# Altium PCB foxbms2-master.PcbDoc (part 6 of 11)
Units mm, origin at the board's own origin, x right, y up, seen from the top; angles counter-clockwise.
Board outline 200.02 x 144.34 mm, 8 copper layers (Top, Int1 (Sig), Int2 (Gnd), Int3 (Sig), Int4 (Sig), Int5 (Pwr), Int6 (Sig), Bottom), stack 1.636 mm thick; 806 components, 624 nets, 2842 pads, 2610 vias.
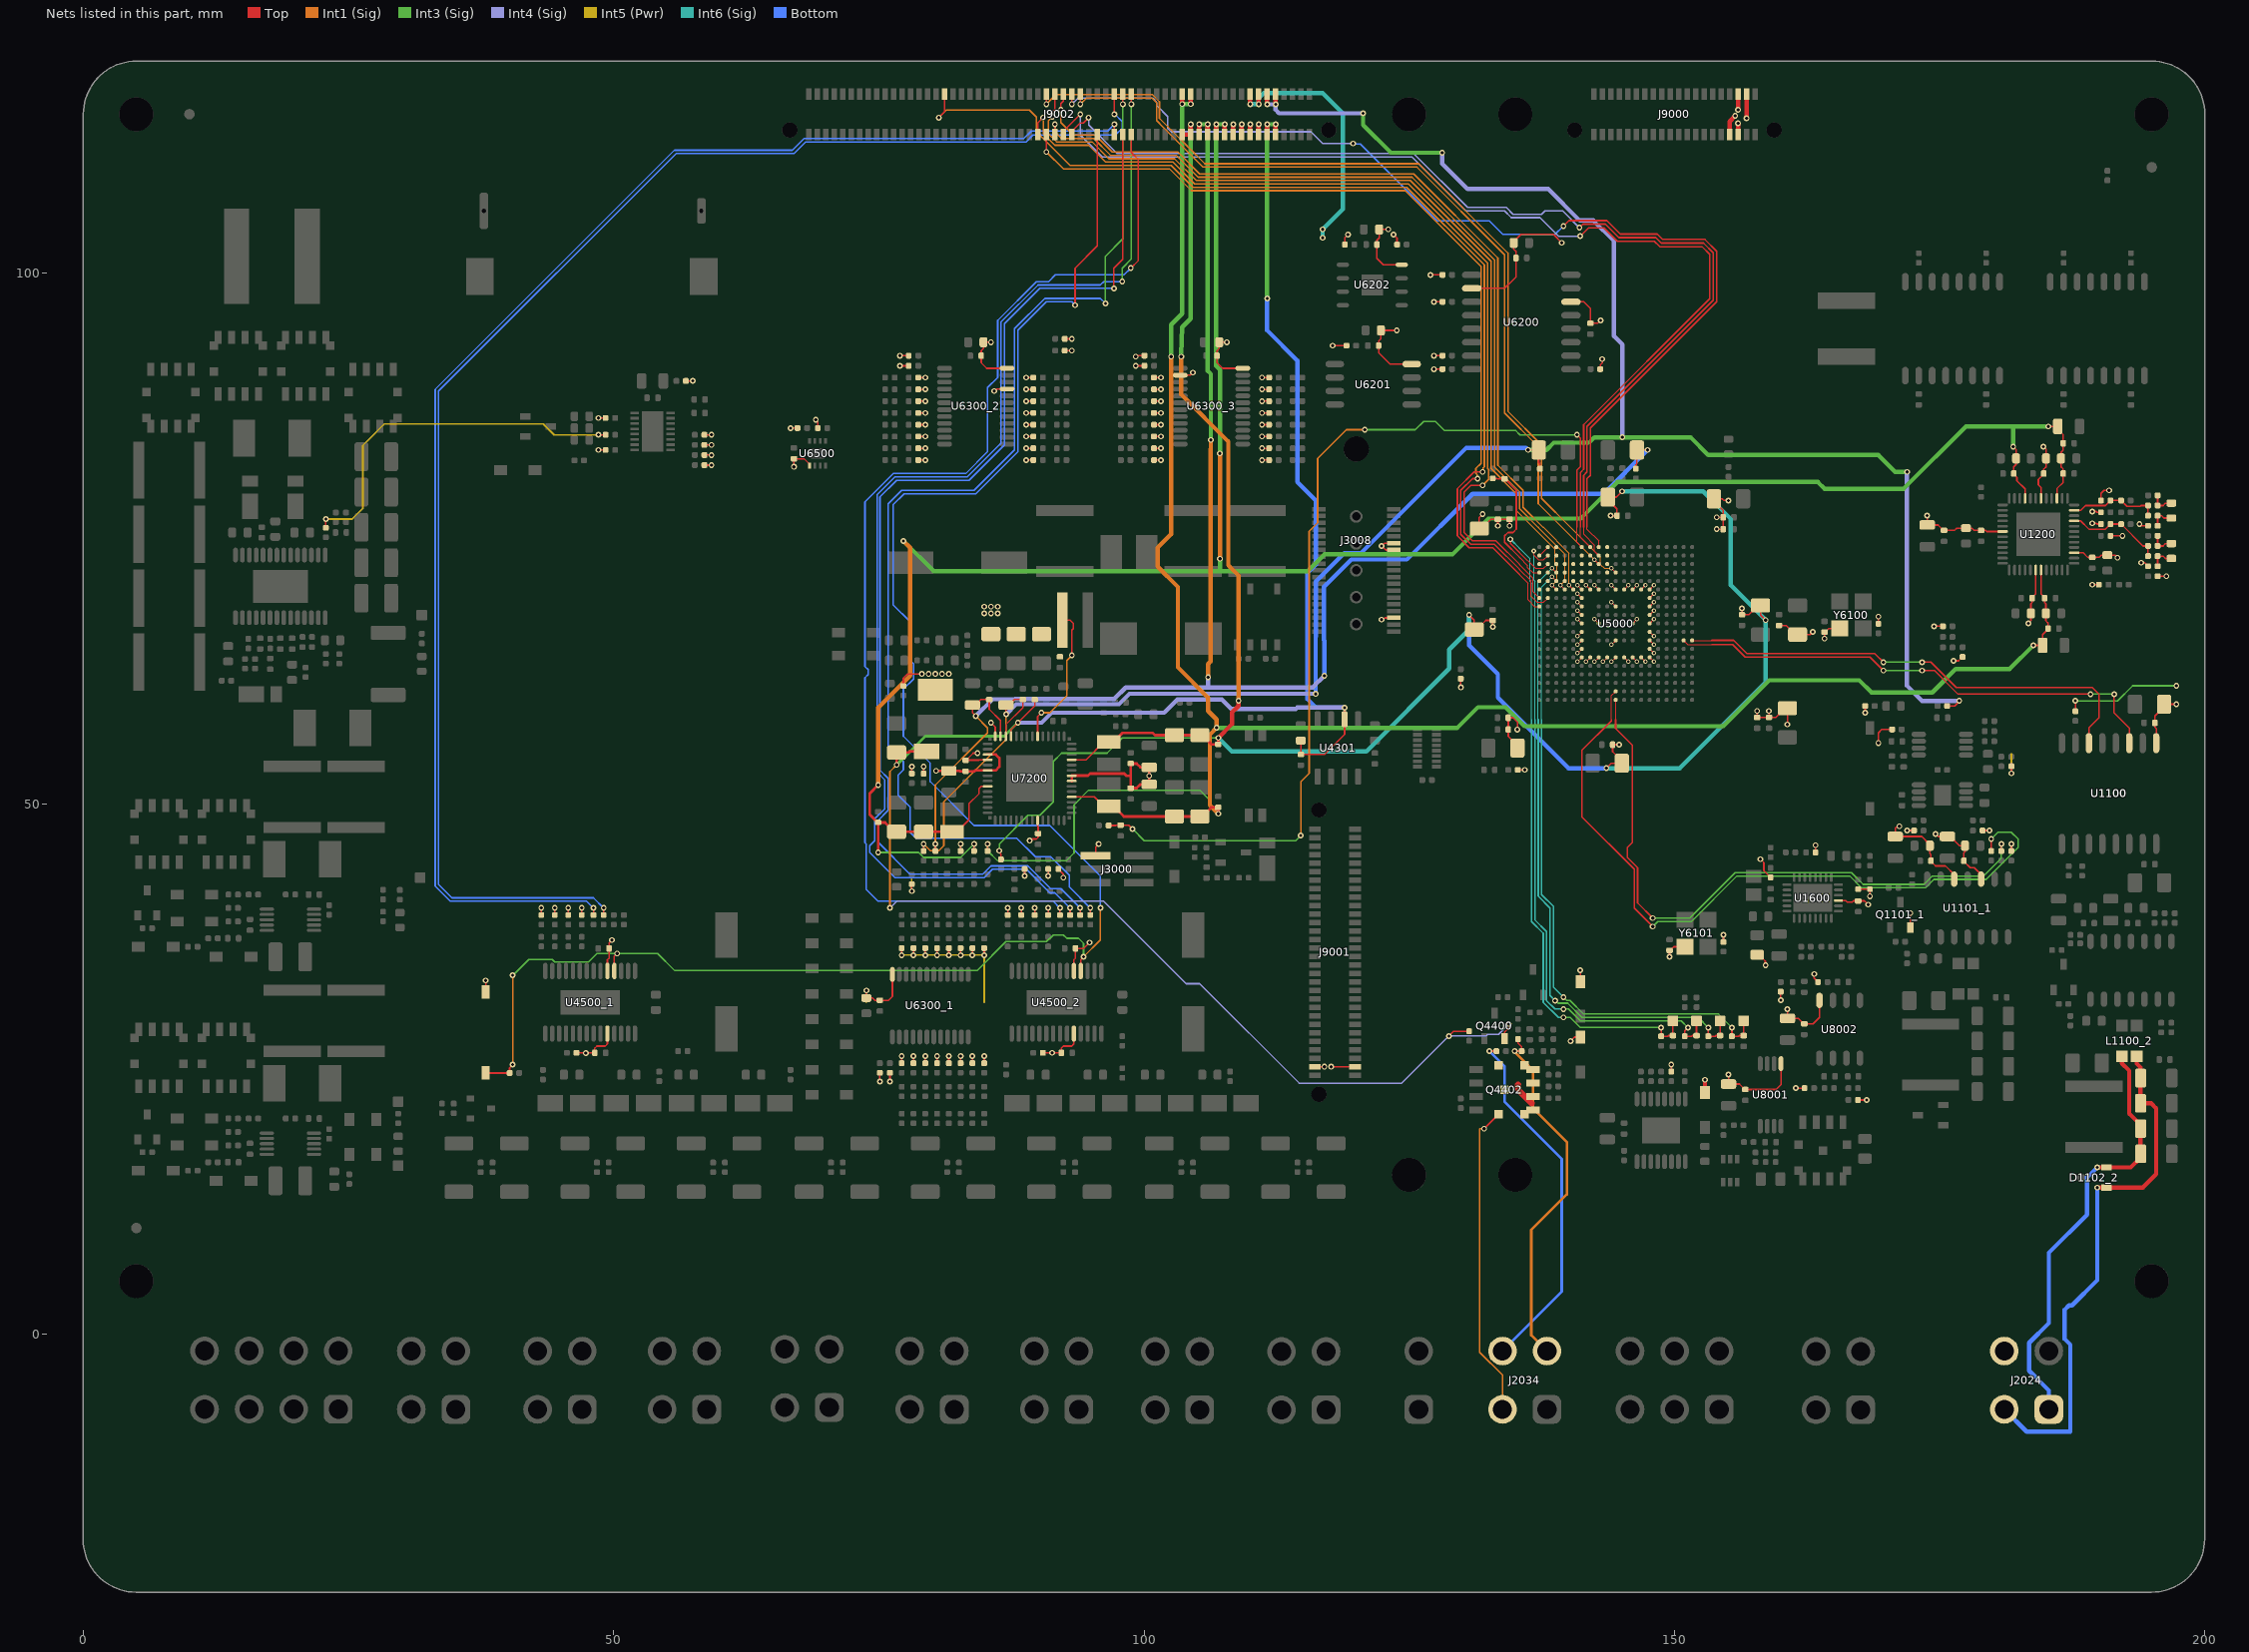
[diagram p12: the nets of this part, all layers, seen from the top]

## Via types
v1: diameter 0.55, hole 0.3, Top to Bottom, 1560 vias
v2: diameter 0.55, hole 0.3, Top to Bottom, tented both sides, 810 vias
v3: diameter 0.45, hole 0.2, Top to Bottom, tented both sides, 169 vias
v4: diameter 0.45, hole 0.2, Top to Bottom, 25 vias
v5: diameter 0.5, hole 0.2, Top to Bottom, 20 vias
v6: diameter 0.75, hole 0.5, Top to Bottom, tented both sides, 17 vias
v7: diameter 0.75, hole 0.5, Top to Bottom, 9 vias

## Nets (pads, with @x,y where several pads share a name; then routed paths per layer and width w, separated by ;. In a path a pad name is that pad's centre, name@x,y a point inside that pad or via, vN(x,y) a via of type N, cw(c..) or ccw(c..) an arc to the next point about the centre after c; other vN are vias at no path point) (continued)
IODEV_IO.SMSW1_IN3: J9002.73 R4516_1.1 | length 141.9
  Top w0.152: R4516_1.1@49.054,39.502 v1(49.054,40.164) ; v1(97.2,114.995) J9002.73@97.2,116.9
  Bottom w0.152: v1(49.054,40.164) 48.101,41.116 34.766,41.116 33.496,42.386 33.496,88.012 33.496,88.9 55.88,111.284 66.992,111.284 68.104,112.395 88.9,112.395 89.535,113.03 97.284,113.03 97.937,113.682 97.937,114.312 97.254,114.995 v1(97.2,114.995)
IODEV_IO.SMSW1_IN4: J9002.74 R4517_1.1 | length 138.6
  Top w0.152: R4517_1.1@48.101,39.502 v1(48.101,40.164) ; J9002.74@97.2,113.1 v1(97.2,114.042)
  Bottom w0.152: v1(48.101,40.164) 47.466,40.799 34.608,40.799 33.179,42.227 33.179,86.982 33.179,89.059 55.721,111.601 66.834,111.601 67.945,112.712 88.661,112.712 89.376,113.428 96.586,113.428 v1(97.2,114.042)
IODEV_IO.SMSW2_IN1: J9002.75 R4514_2.1 | length 109.3
  Top w0.152: R4514_2.1@94.932,39.502 v1(94.932,40.164) ; v1(98,115.947) J9002.75@98,116.9
  Int3 (Sig) w0.152: v1(96.361,97.155) 96.361,101.6 98,103.239 v1(98,115.947)
  Bottom w0.152: v1(94.932,40.164) 92.949,42.147 92.949,43.248 91.191,45.007 89.746,45.007 88.002,46.751 78.503,46.751 78.423,46.831 77.946,47.307 77.946,49.689 76.835,50.8 76.835,52.705 77.311,53.181 77.311,53.975 75.882,55.404 75.882,78.264 77.153,79.534 83.979,79.534 87.789,83.344 87.789,94.774 90.646,97.631 95.885,97.631 v1(96.361,97.155)
IODEV_IO.SMSW2_IN2: J9002.76 R4515_2.1 | length 108
  Top w0.152: R4515_2.1@93.98,39.502 v1(93.98,40.164) ; v1(97.155,98.584) 97.155,100.489 98,101.334 J9002.76@98,113.1
  Bottom w0.152: v1(93.98,40.164) 92.153,41.991 91.201,41.991 89.059,44.133 85.566,44.133 84.772,43.339 77.946,43.339 74.93,46.355 74.93,48.419 75.882,49.371 75.882,52.387 75.103,53.167 75.103,78.913 76.676,80.486 83.502,80.486 86.836,83.82 86.836,95.25 90.17,98.584 v1(97.155,98.584)
IODEV_IO.SMSW2_IN3: J9002.77 R4516_2.1 | length 113.1
  Top w0.152: R4516_2.1@93.027,39.502 v1(93.027,40.164) ; v1(98.8,115.947) J9002.77@98.8,116.9
  Int3 (Sig) w0.152: v1(97.949,99.219) 97.949,100.489 98.8,101.34 v1(98.8,115.947)
  Bottom w0.152: v1(93.027,40.164) 91.599,41.593 91.123,41.593 88.9,43.815 85.725,43.815 84.931,43.021 76.517,43.021 74.136,45.402 74.136,46.038 74.612,46.514 74.612,48.578 75.565,49.53 75.565,52.229 74.849,52.944 74.849,79.136 76.517,80.804 83.344,80.804 86.519,83.979 86.519,95.409 90.011,98.901 95.885,98.901 96.203,99.219 v1(97.949,99.219)
IODEV_IO.SMSW2_IN4: J9002.78 R4517_2.1 | length 110.6
  Top w0.152: R4517_2.1@92.075,39.502 v1(92.075,40.164) ; v1(98.742,100.489) 99.469,101.215 99.469,110.716 98.8,111.385 J9002.78@98.8,113.1
  Bottom w0.152: v1(92.075,40.164) 91.44,40.799 74.93,40.799 73.819,41.91 73.819,46.196 73.688,46.327 73.688,61.874 73.989,62.174 73.989,62.634 73.688,62.934 73.688,78.451 76.359,81.121 83.185,81.121 85.249,83.185 85.249,89.218 86.201,90.17 86.201,95.567 89.853,99.219 91.002,99.219 91.637,99.854 98.108,99.854 v1(98.742,100.489)
IODEV_IO.SMSW_LHM_1: J9002.70 R4500.2 S4500.1 U4500_1.18 U4500_2.18 | length 178.5
  Top w0.152: S4500.1@37.941,24.606 R4500.2@40.19,24.606 40.19,25.109 v1(40.481,25.4) ; U4500_1.18@50.059,34.224 50.059,35.612 v2(50.324,35.877) ; v1(93.504,96.996) 93.504,100.489 95.6,102.585 J9002.70@95.6,113.1 ; U4500_2.18@94.032,34.224 94.032,35.292 94.297,35.557 v1(94.297,35.56)
  Int3 (Sig) w0.152: v1(40.481,33.814) 41.988,35.321 44.217,35.321 44.454,35.084 47.625,35.084 48.419,35.877 v2(50.324,35.877) 54.134,35.877 55.721,34.29 84.296,34.29 86.995,36.989 90.805,36.989 91.44,37.624 92.392,37.624 92.71,37.306 93.821,37.306 94.297,36.83 v1(94.297,35.56)
  Int1 (Sig) w0.152: v1(40.481,25.4) v1(40.481,33.814) ; v1(94.297,35.56) 95.885,37.148 v1(95.885,40.164)
  Bottom w0.152: v1(93.504,96.996) 93.186,97.314 90.787,97.314 88.106,94.633 88.106,83.185 84.138,79.216 77.377,79.216 76.359,78.198 76.359,68.739 77.946,67.151 77.946,63.5 78.264,63.182 78.264,61.754 77.311,60.801 77.311,56.356 79.846,53.822 79.846,52.076 83.979,47.942 91.123,47.942 95.885,43.18 v1(95.885,40.164)
iso_CAN2.H_1: D1102_2.1 J2024.2 L1100_2.4 R1110_2.2 R1111_2.2 | length 50.3
  Top w0.406: v1(189.865,13.811) 189.867,13.814 D1102_2.1@190.748,13.814 194.154,13.814 195.421,15.081 195.421,21.273 194.945,21.749 R1111_2.2@193.946,21.749 R1110_2.2@193.946,24.13 193.946,25.129 193.581,25.494 L1100_2.4@193.581,26.177
  Bottom w0.406: J2024.2@181.097,-7.105 183.2,-9.207 187.325,-9.207 187.325,-1.005 186.794,-0.473 186.794,2.293 187.207,2.706 187.491,2.706 189.865,5.08 v1(189.865,13.811)
iso_CAN2.L_1: D1102_2.2 J2024.1 L1100_2.1 R1112_2.2 R1113_2.2 | length 41
  Top w0.406: v1(189.865,15.716) 190.143,15.716 190.146,15.714 D1102_2.2@190.748,15.714 193.024,15.714 193.946,16.636 R1113_2.2@193.946,16.986 R1112_2.2@193.946,19.367 193.946,19.717 192.881,20.783 192.881,24.826 192.181,25.526 L1100_2.1@192.181,26.177
  Bottom w0.406: J2024.1@185.298,-7.105 185.298,-5.321 183.44,-3.463 183.44,-0.835 185.298,1.023 185.298,7.656 188.912,11.271 188.912,14.764 v1(189.865,15.716)
iso_CAN2.VSUP_1: J2024.4
ISOMON.OK_1: J2034.4 R4404.2 | length 34.1
  Top w0.152: v1(132.556,26.67) R4404.2@133.217,26.67
  Bottom w0.254: v1(132.556,26.67) 133.985,25.241 133.985,21.907 139.382,16.51 139.382,3.988 J2034.4@133.79,-1.605
ISOMON.PWM_1: J2034.3 R4406.2 R4409.1 | length 34.3
  Top w0.152: v1(134.938,26.67) R4406.2@135.599,26.67 135.599,27.087 135.255,27.431 R4409.1@135.255,27.808
  Int1 (Sig) w0.254: v1(134.938,26.67) 134.938,26.59 136.684,24.844 136.684,21.273 139.859,18.098 139.859,13.173 136.501,9.815 136.501,-0.116 J2034.3@137.99,-1.605
ISOMON.SUP-_1: J2034.2 Q4402.D | length 32
  Top w0.152: v1(132.059,19.353) Q4402.D@133.425,20.719
  Top w0.61: 135.255,23.495 135.255,23.026 136.532,21.749
  Int1 (Sig) w0.152: v1(132.059,19.353) 131.646,19.353 131.646,-1.729 133.79,-3.873 J2034.2@133.79,-7.105
LED_0_10: R1200.1 R1204.2 R1208.1 R1212.2 U1200.47 | length 8.6
  Top w0.152: U1200.47@187.684,77.656 188.305,77.656 188.754,78.105 190.632,78.105 R1200.1@191.109,78.581 R1212.2@192.114,78.581 192.668,78.027 193.905,78.027 193.983,78.105 R1208.1@194.654,78.105 194.654,77.728 R1204.2@194.654,77.153
LED_2_10: R1202.1 R1206.2 R1210.1 R1214.2 U1200.45 | length 9.3
  Top w0.152: U1200.45@187.684,76.656 188.297,76.656 189.071,75.882 190.632,75.882 R1202.1@191.109,76.359 R1214.2@192.114,76.359 194.177,74.295 R1210.1@194.654,74.295 194.654,73.918 R1206.2@194.654,73.343
LED_GN_A_10: D1200.2 R1204.1 R1205.1 | length 2.3
  Top w0.152: R1205.1@195.554,76.2 R1204.1@195.554,77.153 195.93,77.153 196.154,76.929 D1200.2@196.85,76.929
LED_GN_C_10: D1200.1 R1208.2 R1209.2 | length 2.3
  Top w0.152: R1209.2@195.554,79.057 R1208.2@195.554,78.105 196.075,78.105 196.298,78.329 D1200.1@196.85,78.329
LED_YE_A_10: D1201.2 R1206.1 R1207.1 | length 2.3
  Top w0.152: R1207.1@195.554,72.39 R1206.1@195.554,73.343 196.075,73.343 196.298,73.119 D1201.2@196.85,73.119
LED_YE_C_10: D1201.1 R1210.2 R1211.2 | length 2.3
  Top w0.152: R1211.2@195.554,75.248 R1210.2@195.554,74.295 196.075,74.295 196.298,74.519 D1201.1@196.85,74.519
MCU_1.1V: C1200.2 C1201.2 C1202.2 C1203.2 C1204.2 C1205.2 C1206.2 C1207.2 C7246.2 C7247.2 C7248.2 J9002.89 J9002.91 L7204.2 R7203.2 U1200.6 U1200.31 U1200.39 U7200.32 | length 220
  Top w0.152: R7203.2@85.249,45.535 v2(85.249,46.196) ; U7200.32@93.18,50.638 95.321,50.638 96.214,49.745 L7204.2@96.679,49.745 ; v2(183.832,64.929) C1200.2@184.712,64.929 184.712,65.951 185.227,66.466 C1201.2@185.227,66.516 185.227,67.026 185.013,67.241 C1202.2@185.013,67.945 185.013,68.86 184.91,68.962 C1203.2@184.91,69.374 184.91,69.424 184.559,69.775 U1200.31@184.559,72.031 ; U1200.6@184.559,78.781 184.559,79.802 184.309,80.052 184.309,80.561 184.819,81.071 C1205.2@184.819,81.121 184.819,81.533 185.034,81.748 C1204.2@185.034,82.55 185.034,83.413 v2(184.785,83.661) ; U1200.39@187.684,73.656 188.538,73.656 188.977,73.218 C1207.2@189.389,73.218 190.026,73.218 190.241,73.432 C1206.2@190.817,73.432 191.521,73.432 v2(191.77,73.184)
  Top w0.254: L7204.2@96.679,49.745 97.144,49.745 98.099,48.79 C7247.2@102.87,48.79 C7248.2@105.251,48.79 105.476,48.79 106.341,49.655 C7246.2@106.998,49.655 v2(106.998,49.054)
  Top w0.406: v1(103.6,115.958) J9002.89@103.6,116.9 ; v1(104.4,115.958) J9002.91@104.4,116.9
  Int3 (Sig) w0.152: v2(85.249,46.196) 85.249,45.561 86.201,44.609 92.664,44.609 93.401,45.346 93.401,49.903 94.774,51.276 105.242,51.276 106.201,50.317 106.201,49.85 v2(106.998,49.054)
  Int3 (Sig) w0.406: v1(102.552,92.141) 102.552,95.156 103.6,96.203 v1(103.6,115.958) v1(104.4,115.958) ; v1@106.878,57.15 129.529,57.15 131.48,59.101 134.075,59.101 135.868,57.309 154.623,57.309 158.955,61.641 167.424,61.641 168.581,60.484 174.308,60.484 176.53,62.706 181.61,62.706 v2(183.832,64.929)
  Int1 (Sig) w0.406: v1(102.552,92.141) 102.552,75.406 101.282,74.136 101.282,72.345 103.188,70.44 103.188,68.421 103.188,62.853 106.045,59.996 106.045,58.737 106.839,57.944 v1(106.839,57.15) 106.204,56.515 106.204,49.847 v2(106.998,49.054)
MCU_1.2V: C5000.2 C5001.2 C5002.2 C5003.2 C5004.2 C5005.2 C5006.2 C5017.2 C7238.2 C7239.2 C7240.2 J9002.90 J9002.92 L7203.2 R7202.2 U5000.F9 U5000.F10 U5000.H10 U5000.J14 U5000.K6 U5000.K8 U5000.K12 U5000.K14 U5000.L6 U5000.M10 U5000.P10 U7200.39 | length 230.1
  Top w0.102: v3(140.863,65.792) U5000.J14@141.263,66.192 ; v3(140.863,67.392) U5000.K14@141.263,66.992 ; v3(142.463,67.392) U5000.K12@142.863,66.992 ; v3(144.063,63.392) U5000.F10@144.463,63.792 ; v3(144.063,64.992) U5000.H10@144.463,65.392 ; v3(144.063,68.992) U5000.M10@144.463,68.592 ; v3(144.063,70.592) U5000.P10@144.463,70.192 ; U5000.F9@145.263,63.792 v3(145.663,63.392) ; U5000.K8@146.063,66.992 v3(146.463,67.392) ; U5000.K6@147.663,66.992 v3(148.063,67.392) ; U5000.L6@147.663,67.792 v3(148.063,68.192)
  Top w0.152: v2(86.36,45.561) 86.36,45.402 86.519,45.244 R7202.2@86.519,44.741 ; U7200.39@93.18,54.137 94.527,54.137 96.214,55.824 L7203.2@96.679,55.824 ; v1(130.651,67.786) 131.127,67.31 C5002.2@131.127,66.411 ; C5002.2@131.352,66.411 132.217,67.276 C5006.2@132.874,67.276 v2(132.874,66.675) ; v1(143.591,53.34) 144.067,53.816 C5001.2@145.038,53.816 ; v2(143.986,77.153) C5005.2@144.587,77.153 144.587,77.809 143.723,78.674 C5000.2@143.723,78.899 144.52,78.899 v1(145.063,79.441) ; v2(144.774,55.562) C5004.2@144.173,55.562 144.173,54.906 C5001.2@145.038,54.041 ; v2(156.369,68.421) C5003.2@156.369,67.82 157.025,67.82 157.89,68.685 C5017.2@158.115,68.685 158.115,67.786 v1(158.591,67.31)
  Top w0.254: L7203.2@96.679,55.824 97.144,55.824 97.994,56.674 100.806,56.674 101.019,56.461 C7240.2@102.87,56.461 C7239.2@105.251,56.461 105.476,56.461 106.341,55.596 C7238.2@106.998,55.596 v2(106.998,56.197)
  Top w0.406: J9002.90@103.6,113.1 J9002.92@104.4,113.1 v1(104.4,114.042) ; v2(106.998,56.197) 108.285,57.485 108.285,58.596 108.902,59.214 v1(108.902,59.69)
  Int3 (Sig) w0.152: v2(86.36,45.561) 86.36,46.196 89.059,48.895 90.17,48.895 91.44,50.165 91.44,53.975 92.229,54.764 96.515,54.764 97.949,56.197 v2(106.998,56.197)
  Int3 (Sig) w0.406: v1(103.505,92.141) 103.505,92.392 103.6,94.932 104.4,95.732 v1(104.4,114.042)
  Int1 (Sig) w0.406: v1(103.505,92.141) 103.505,88.582 107.949,84.139 107.949,72.471 108.902,71.518 108.902,68.623 v1(108.902,59.69)
  Int6 (Sig) w0.406: v2(106.998,56.197) 108.267,54.927 120.968,54.927 128.772,62.732 128.772,64.533 130.651,66.412 v1(130.651,67.786) ; v1(143.591,53.34) 150.495,53.34 158.591,61.436 v1(158.591,67.31) 158.591,67.321 155.312,70.6 155.312,76.84 152.71,79.441 v1(145.063,79.441)
  Bottom w0.406: v1(130.651,67.786) 130.651,64.929 133.35,62.23 133.35,60.008 140.017,53.34 v1(143.591,53.34)
MCU_1.2V_LDO: C5007.2 C7232.2 C7233.2 FB5000.1 J9002.94 J9002.96 R7200.2 U7200.55 | length 159.6
  Top w0.152: R7200.2@80.328,45.535 v2(80.328,46.196) ; v2(84.138,58.261) 83.82,58.579 C7233.2@83.82,59.3 84.095,59.3 84.61,59.815 C7232.2@85.407,59.815 85.407,58.896 86.468,57.836 U7200.55@86.468,56.35 ; FB5000.1@146.368,81.571 146.368,81.948 146.472,82.053 C5007.2@146.472,83.344 v2(147.479,83.344)
  Top w0.406: J9002.94@105.2,113.1 v1(105.2,114.042) ; J9002.96@106,113.1 v1(106,114.042)
  Int3 (Sig) w0.406: v1(105.2,114.042) v1(106,114.042) 106,90.806 106.292,90.514 v1(106.292,84.293)
  Int1 (Sig) w0.152: v2(80.328,46.196) 80.328,51.752 85.249,56.674 85.249,57.15 v2(84.138,58.261)
  Int1 (Sig) w0.406: v1(106.045,61.912) 106.045,63.171 106.281,63.408 106.281,82.79 v1(106.292,84.293)
  Int4 (Sig) w0.406: v2(84.138,58.261) 85.725,59.849 87.767,59.849 cw(c87.95,59.375) 87.95,59.883 97.189,59.883 98.266,60.96 105.972,60.96 ; v1(106.045,61.912) 106.045,61.033 105.972,60.96 ; v1(116.999,62.071) 115.893,60.965 ccw(c116.182,60.348) 115.882,60.96 105.972,60.96
  Bottom w0.406: v1(116.999,62.071) 116.999,65.384 116.952,65.43 116.952,70.439 119.539,73.025 124.777,73.025 130.969,79.216 143.351,79.216 v2(147.479,83.344)
MCU_2.5V: C1208.2 C1209.2 C1210.2 C1211.2 C1212.2 C1213.2 C7249.2 C7250.2 C7251.2 J9002.98 J9002.100 L7205.2 R7204.2 U1200.3 U1200.9 U7200.9 | length 231.6
  Top w0.152: L7205.2@81.915,47.364 82.38,47.364 83.502,48.486 83.502,50.006 84.455,50.959 84.455,51.435 84.657,51.637 U7200.9@85.255,51.637 ; R7204.2@83.979,45.535 v2(83.979,46.196) ; v2(181.927,83.661) 182.21,83.379 C1210.2@182.21,82.55 182.21,81.973 181.995,81.758 C1211.2@181.995,81.121 181.995,81.071 182.289,80.777 182.289,80.442 183.059,79.673 U1200.9@183.059,78.781 ; v2(185.261,85.566) C1208.2@186.141,85.566 186.141,85.291 186.656,84.776 C1209.2@186.656,83.979 186.656,83.342 186.441,83.127 C1212.2@186.441,82.55 186.441,81.748 186.656,81.533 C1213.2@186.656,81.121 186.656,80.294 186.059,79.696 U1200.3@186.059,78.781
  Top w0.254: v2(74.93,45.402) C7249.2@74.93,48.226 ; v2(74.93,51.752) 74.136,50.959 74.136,48.97 74.88,48.226 C7249.2@74.93,48.226 ; L7205.2@81.915,47.364 80.22,47.364 80.218,47.361 C7250.2@79.216,47.361 C7251.2@76.676,47.361 76.451,47.361 75.586,48.226 C7249.2@74.93,48.226
  Top w0.406: J9002.98@106.8,113.1 v1(106.8,114.042) ; J9002.100@107.6,113.1 v1(107.6,114.042)
  Int3 (Sig) w0.152: v2(74.93,45.402) 78.74,45.402 79.216,44.926 82.709,44.926 v2(83.979,46.196)
  Int3 (Sig) w0.406: v1(77.311,74.771) 80.169,71.914 107.16,71.914 ; v1(107.156,83.026) 107.156,90.925 106.8,91.281 v1(106.8,114.042) v1(107.6,114.042) ; v1(107.16,73.097) 107.16,71.914 ; v2(181.927,83.661) 181.927,85.566 ; v2(185.261,85.566) 181.927,85.566 ; 107.16,71.914 115.411,71.914 116.999,73.501 129.075,73.501 132.455,76.881 141.175,76.881 144.621,80.328 163.522,80.328 164.157,79.692 171.609,79.692 177.482,85.566 181.927,85.566
  Int1 (Sig) w0.406: v2(74.93,51.752) 74.93,59.055 77.946,62.071 77.946,74.136 v1(77.311,74.771) ; v1(107.156,83.026) 107.156,73.101 v1(107.16,73.097)
MCU_3.3V: C1100.2 C1102.2 C1107_1.2 C1108_1.2 C1109_1.2 C1214.2 C1215.2 C1216.2 C1217.2 C1218.2 C1219.2 C1602.2 C4503_1.2 C4503_2.2 C5013.2 C5014.2 C5016.2 C5018.2 C5019.2 C5020.2 C5021.2 C5022.2 C5023.2 C5024.2 C5025.2 C5026.2 C5027.2 C5028.2 C6100.2 C6101.2 C6200.2 C6201.2 C6202.2 C6203.2 C6204.2 C6205.2 C6206.2 C6300_1.2 C6300_2.2 C6300_3.2 C6301_1.2 C6301_2.2 C6301_3.2 C6500.2 C7210.2 C7211.2 C7212.2 C7213.2 C7215.2 C7216.2 C7222.2 C7223.2 C7224.2 C7228.2 C7229.2 C7230.2 D4400.1 D4401.1 J3000.1 J3008.12 J3008.14 J3008.34 J9000.34 J9000.35 J9001.57 J9001.58 J9002.102 J9002.104 J9002.105 J9002.107 L7202.2 Q1101_1.S R1100.2 R1103_1.2 R1104_1.2 R1105_1.2 R1200.2 R1201.2 R1202.2 R1203.2 R1205.2 R1207.2 R1222.2 R1223.2 R1224.2 R1227.2 R1601.2 R1602.2 R1603.2 R1604.2 R3004.2 R3009.2 R4504_1.2 R4504_2.2 R4505_1.2 R4505_2.2 R4506_1.2 R4506_2.2 R4507_1.2 R4507_2.2 R4513_1.2 R4513_2.2 R6100.1 R6101.1 R6200.2 R6201.2 R6202.2 R6203.2 R6204.2 R6205.2 R6206.2 R6207.2 R6300.2 R6301.2 R6302_1.2 R6302_2.2 R6302_3.2 R6303_1.2 R6303_2.2 R6303_3.2 R6304_1.2 R6304_2.2 R6304_3.2 R6305_1.2 R6305_2.2 R6305_3.2 R6306_1.2 R6306_2.2 R6306_3.2 R6307_1.2 R6307_2.2 R6307_3.2 R6308_1.2 R6308_2.2 R6308_3.2 R6309_1.2 R6309_2.2 R6309_3.2 R6310_1.2 R6310_2.2 R6310_3.2 R6311_1.2 R6311_2.2 R6311_3.2 R6312_1.2 R6312_2.2 R6312_3.2 R6313_1.2 R6313_2.2 R6313_3.2 R6314_1.2 R6314_2.2 R6314_3.2 R6315_1.2 R6315_2.2 R6315_3.2 R6316_1.2 R6316_2.2 R6316_3.2 R6317_1.2 R6317_2.2 R6317_3.2 R6318_1.2 R6318_2.2 R6318_3.2 R6319_1.2 R6319_2.2 R6319_3.2 R6401.2 R6403.2 R6404.2 R6407.2 R6408.2 R6409.2 R6410.2 R6411.2 R6500.2 R6501.2 R6601.2 R6605.2 R6608.2 R7002.2 R7106.2 R7207.1 R7226.2 R7236.2 R7237.2 R7240.2 R7241.2 R7242.2 R7250.2 R8020.1 R8024.1 S4500.2 U1100.1 U1101_1.5 U1200.18 U1200.30 U1600.25 U4500_1.10 U4500_2.10 U5000.F6 U5000.F7 U5000.F8 U5000.F11 U5000.F12 U5000.F13 U5000.F14 U5000.G6 U5000.G14 U5000.H6 U5000.H14 U5000.J6 U5000.L14 U5000.M6 U5000.M14 U5000.N6 U5000.N14 U5000.P6 U5000.P7 U5000.P8 U5000.P9 U5000.P12 U5000.P13 U5000.P14 U6200.2 U6200.14 U6201.8 U6202.8 U6300_1.24 U6300_2.21 U6300_2.24 U6300_3.2 U6300_3.24 U6500.5 U7200.3 U7200.4 U7200.6 U7200.23 U7200.35 U7200.36 U7200.48 U7200.56 Y6100.4 Y6101.4 | length 375.2
  Top w0.102: v3(140.863,63.392) U5000.F14@141.263,63.792 ; v3(140.863,64.193) U5000.G14@141.263,64.592 ; v3(140.863,64.992) U5000.H14@141.263,65.392 ; v3(140.863,68.192) U5000.L14@141.263,67.792 ; v3(140.863,68.992) U5000.M14@141.263,68.592 ; v3(140.863,69.792) U5000.N14@141.263,69.393 ; v3(140.863,70.592) U5000.P14@141.263,70.192 ; v3(141.663,63.392) U5000.F13@142.062,63.792 ; v3(141.663,70.592) U5000.P13@142.062,70.192 ; v3(142.463,63.392) U5000.F12@142.863,63.792 ; v3(142.463,70.592) U5000.P12@142.863,70.192 ; v3(143.263,63.392) U5000.F11@143.663,63.792 ; U5000.P9@145.263,70.192 v3(145.663,70.592) ; U5000.F8@146.063,63.792 v3(146.463,63.392) ; U5000.P8@146.063,70.192 v3(146.463,70.592) ; U5000.F7@146.863,63.792 v3(147.262,63.392) ; U5000.P7@146.863,70.192 v3(147.262,70.592) ; U5000.F6@147.663,63.792 v3(148.063,63.392) ; U5000.G6@147.663,64.592 v3(148.063,64.193) ; U5000.H6@147.663,65.392 v3(148.063,64.992) ; U5000.J6@147.663,66.192 v3(148.063,65.792) ; U5000.M6@147.663,68.592 v3(148.063,68.992) ; U5000.N6@147.663,69.393 v3(148.063,69.792) ; U5000.P6@147.663,70.192 v3(148.063,70.592)
  Top w0.152: R7106.2@22.86,76.015 v2(22.86,76.835) ; S4500.2@37.941,32.226 v2(37.941,33.337) ; R4507_1.2@43.18,39.503 v2(43.18,40.164) ; R4506_1.2@44.45,39.503 v2(44.45,40.164) ; R4505_1.2@45.72,39.503 v2(45.72,40.164) ; R4513_1.2@46.488,26.511 v2@47.357,26.511 ; R4504_1.2@46.99,39.503 v2(46.99,40.164) ; v2(47.371,26.497) v2@47.357,26.511 ; v2(48.578,83.344) R6408.2@49.239,83.344 ; v2(48.578,84.772) R6404.2@49.239,84.772 ; v2(48.578,86.36) R6403.2@49.239,86.36 ; U4500_1.10@49.409,28.324 49.409,27.343 49.212,27.146 48.419,27.146 48.226,26.954 C4503_1.2@48.226,26.511 v2@47.357,26.511 ; R6407.2@56.806,89.852 v2(57.468,89.852) ; R6409.2@58.553,81.915 v2(59.214,81.915) ; R6410.2@58.553,82.867 v2(59.214,82.867) ; R6411.2@58.553,83.82 v2(59.214,83.82) ; R6401.2@58.553,84.772 v2(59.214,84.772) ; v2(66.675,85.407) R6500.2@67.336,85.407 ; v2(66.992,81.756) C6500.2@66.992,82.516 67.955,82.516 68.465,82.006 U6500.5@68.465,81.856 ; v2(69.056,86.201) 69.241,86.016 R6501.2@69.241,85.407 ; v2(73.819,32.385) C6300_1.2@73.819,31.681 74.395,31.681 74.61,31.466 C6301_1.2@75.089,31.466 75.916,31.466 76.276,31.826 U6300_1.24@76.276,33.906 ; v2(75.089,23.812) R6318_1.2@75.089,24.632 ; v2(76.041,23.812) R6319_1.2@76.041,24.632 ; v2(76.994,91.281) R6319_2.2@77.814,91.281 ; v2(76.994,92.234) R6318_2.2@77.814,92.234 ; R6302_1.2@77.153,25.533 v2(77.153,26.194) ; v2(77.153,35.719) R6317_1.2@77.153,36.38 ; R7002.2@77.311,61.093 77.311,61.837 77.705,62.23 v2(79.057,62.23) ; v1(78.105,41.751) R7250.2@78.105,42.412 ; R7237.2@78.105,52.838 v2(78.105,53.499) ; R6303_1.2@78.264,25.533 v2(78.264,26.194) ; v2(78.264,35.719) R6316_1.2@78.264,36.38 ; R6309_2.2@78.714,82.391 v2(79.375,82.391) ; R6308_2.2@78.714,83.502 v2(79.375,83.502) ; R6307_2.2@78.714,84.614 v2(79.375,84.614) ; R6306_2.2@78.714,85.725 v2(79.375,85.725) ; R6305_2.2@78.714,86.836 v2(79.375,86.836) ; R6304_2.2@78.714,87.947 v2(79.375,87.947) ; R6303_2.2@78.714,89.059 v2(79.375,89.059) ; R6302_2.2@78.714,90.17 v2(79.375,90.17) ; R7236.2@79.216,52.838 v2(79.216,53.499) ; R6304_1.2@79.375,25.533 v2(79.375,26.194) ; v2(79.375,35.719) R6315_1.2@79.375,36.38 ; R6305_1.2@80.486,25.533 v2(80.486,26.194) ; v2(80.486,35.719) R6314_1.2@80.486,36.38 ; R6306_1.2@81.597,25.533 v2(81.597,26.194) ; v2(81.597,35.719) R6313_1.2@81.597,36.38 ; R6307_1.2@82.709,25.533 v2(82.709,26.194) ; v2(82.709,35.719) R6312_1.2@82.709,36.38 ; R7242.2@82.709,45.535 v2(82.709,46.196) ; C7230.2@83.185,54.1 C7230.2@83.235,54.1 ; R6308_1.2@83.82,25.533 v2(83.82,26.194) ; v2(83.82,35.719) R6311_1.2@83.82,36.38 ; v2(84.296,54.769) 83.904,54.769 C7230.2@83.235,54.1 ; R6309_1.2@84.931,25.533 v2(84.931,26.194) ; v2(84.931,35.719) R6310_1.2@84.931,36.38 ; U7200.4@85.255,54.137 84.459,54.137 84.421,54.1 C7230.2@83.235,54.1 ; v2(85.566,57.626) 85.967,57.225 U7200.56@85.967,56.35 ; v2(85.566,93.504) C6300_2.2@84.862,93.504 84.862,92.927 84.648,92.712 C6301_2.2@84.648,92.234 84.648,91.565 85.166,91.046 U6300_2.24@87.088,91.046 ; v2(85.884,88.9) 85.926,88.9 86.122,89.096 U6300_2.21@87.088,89.096 ; R4507_2.2@87.154,39.503 v2(87.154,40.164) ; R4506_2.2@88.424,39.503 v2(88.424,40.164) ; v2(88.741,43.18) R7241.2@88.741,43.841 ; v2(88.9,82.391) R6310_2.2@89.561,82.391 ; v2(88.9,83.502) R6311_2.2@89.561,83.502 R6311_2.2@89.459,83.604 ; v2(88.9,84.614) R6312_2.2@89.561,84.614 ; v2(88.9,85.725) R6313_2.2@89.561,85.725 ; v2(88.9,86.836) R6314_2.2@89.561,86.836 ; v2(88.9,87.947) R6315_2.2@89.561,87.947 ; v2(88.9,89.059) R6316_2.2@89.561,89.059 ; v2(88.9,90.17) R6317_2.2@89.561,90.17 ; v2(89.218,46.514) 89.325,46.514 89.484,46.672 89.863,46.672 90.011,46.821 C7222.2@90.011,47.183 90.011,47.817 89.968,47.86 U7200.23@89.968,48.425 ; R4505_2.2@89.694,39.503 v2(89.694,40.164) ; U7200.48@89.968,56.35 89.968,58.218 v2(90.329,58.579) ; R4513_2.2@90.461,26.511 v2(91.331,26.511) C4503_2.2@92.2,26.511 92.2,26.954 92.392,27.146 93.186,27.146 93.383,27.343 U4500_2.10@93.382,28.324 ; R4504_2.2@90.964,39.503 v2(90.964,40.164) ; v2(90.964,43.18) R7240.2@90.964,43.841 ; R7207.1@91.916,43.841 92.392,43.365 v2(92.392,43.021) ; R7226.2@92.304,67.31 93.027,67.31 93.345,66.992 93.345,66.516 93.186,66.358 v2(93.186,63.976) ; R6301.2@92.525,92.71 v2(93.186,92.71) ; R6300.2@92.525,93.821 v2(93.186,93.821) ; J3000.1@95.438,45.085 95.438,45.908 v2(95.726,46.196) ; v2(99.219,91.281) R6319_3.2@100.039,91.281 ; v2(99.219,92.141) 99.219,92.234 R6318_3.2@100.039,92.234 ; R6309_3.2@100.939,82.391 v2(101.6,82.391) ; R6308_3.2@100.939,83.502 v2(101.6,83.502) ; R6307_3.2@100.939,84.614 v2(101.6,84.614) ; R6306_3.2@100.939,85.725 v2(101.6,85.725) ; R6305_3.2@100.939,86.836 v2(101.6,86.836) ; R6304_3.2@100.939,87.947 v2(101.6,87.947) ; R6303_3.2@100.939,89.059 v2(101.6,89.059) ; R6302_3.2@100.939,90.17 v2(101.6,90.17) ; U6300_3.2@103.413,90.396 104.366,90.396 v2(104.616,90.646) ; v2(107.791,93.504) C6300_3.2@107.087,93.504 107.087,92.927 106.873,92.712 C6301_3.2@106.873,92.234 106.873,91.565 107.391,91.046 U6300_3.24@109.313,91.046 ; v2(111.125,82.391) R6310_3.2@111.786,82.391 ; v2(111.125,83.502) R6311_3.2@111.786,83.502 R6311_3.2@111.684,83.604 ; v2(111.125,84.614) R6312_3.2@111.786,84.614 ; v2(111.125,85.725) R6313_3.2@111.786,85.725 ; v2(111.125,86.836) R6314_3.2@111.786,86.836 ; v2(111.125,87.947) R6315_3.2@111.786,87.947 ; v2(111.125,89.059) R6316_3.2@111.786,89.059 ; v2(111.125,90.17) R6317_3.2@111.786,90.17 ; J9001.58@116.1,25.2 v1(116.999,25.2) ; v1(117.634,25.2) J9001.57@119.9,25.2 J9001.57@119.859,25.241 ; v2(117.792,93.186) R6205.2@119.089,93.186 ; R6206.2@118.93,102.711 118.93,103.372 v1(119.221,103.664) ; v1(122.396,67.344) 122.504,67.344 122.68,67.52 J3008.34@123.53,67.52 ; v1(122.396,74.295) v1@122.399,74.295 ; v2(123.031,104.14) C6205.2@122.169,104.14 122.169,103.338 121.954,103.123 C6206.2@121.954,102.711 121.954,101.407 122.555,100.806 U6202.8@124.295,100.806 ; v1(123.507,103.664) 123.851,103.32 R6207.2@123.851,102.711 ; J3008.14@123.53,73.92 122.793,73.92 122.418,74.295 v1@122.399,74.295 ; J3008.12@123.53,74.56 122.664,74.56 v1@122.399,74.295 ; v1(123.825,94.615) C6203.2@122.327,94.615 122.327,93.813 122.113,93.598 C6204.2@122.113,93.186 122.113,92.517 123.19,91.44 U6201.8@125.228,91.44 ; v2(127,99.854) R6202.2@128.137,99.854 ; v2(127.317,90.964) R6201.2@128.137,90.964 ; v2(127.317,92.234) R6200.2@128.137,92.234 ; v2(127.317,97.314) R6204.2@128.137,97.314 ; v2(129.857,60.96) R3009.2@129.857,61.78 ; U6200.2@130.898,98.584 133.985,98.584 135.062,99.661 C6201.2@135.062,101.441 135.062,102.078 134.848,102.293 C6200.2@134.848,102.87 134.848,102.97 135.541,103.664 138.589,103.664 v1(139.382,102.87) ; v2(131.921,77.311) 131.604,76.994 C5020.2@131.604,75.936 131.829,75.936 132.694,76.801 C5021.2@133.35,76.801 ; v2(133.35,76.2) C5021.2@133.35,76.801 ; v2(134.461,76.2) C5022.2@134.461,76.801 C5021.2@133.35,76.801 ; C5016.2@135.201,55.245 135.201,55.47 134.336,56.335 C5024.2@134.336,56.991 C5025.2@134.336,58.102 134.779,58.102 135.201,57.68 v2(135.201,56.991) ; R3004.2@135.229,53.181 v2(135.89,53.181) ; v1(140.207,27.622) 140.572,27.988 D4400.1@141.129,27.988 ; U6200.14@140.247,97.314 141.446,97.314 142.081,96.679 C6202.2@142.081,95.284 142.75,95.284 v2(143.034,95.567) ; D4401.1@141.129,33.226 v1(141.129,34.29) ; R6203.2@143.008,90.964 143.008,91.34 143.192,91.525 v2(143.192,91.916) ; v2(149.542,35.56) C6101.2@149.542,36.161 149.592,36.161 149.944,36.512 Y6101.4@150.982,36.512 ; v2(153.987,75.882) C5027.2@154.589,75.882 C5026.2@154.589,76.994 ; v2(153.987,76.994) C5026.2@154.589,76.994 ; R6101.1@154.623,36.962 v2(154.623,37.624) ; v2(155.099,78.581) 154.659,78.581 154.5,78.74 C5018.2@153.724,78.74 153.724,78.515 154.589,77.65 C5026.2@154.589,76.994 ; v2(157.797,58.737) C5023.2@157.797,58.136 C5028.2@158.909,58.136 ; v2(158.115,44.767) 158.433,44.45 158.433,43.682 R1603.2@159.067,43.047 ; v2(158.909,58.737) C5028.2@158.909,58.136 ; C5014.2@159.861,66.8 160.518,66.8 161.383,65.935 C5013.2@161.607,65.935 162.773,65.935 v1(163.036,66.199) ; v2(160.02,31.459) R8024.1@160.02,32.279 ; v2@160.655,57.309 v2(160.655,57.468) C5019.2@160.655,59.001 160.43,59.001 159.565,58.136 C5028.2@158.909,58.136 ; v1(163.195,33.939) 163.162,33.906 163.162,33.555 R8020.1@163.539,33.179 ; R1604.2@163.301,45.402 v2(163.301,46.09) ; v1(164.147,65.564) C6100.2@164.147,66.165 164.197,66.165 164.549,66.516 Y6100.4@164.952,66.516 ; U1600.25@165.461,40.866 166.153,40.866 166.299,40.721 166.758,40.721 166.87,40.833 C1602.2@167.322,40.833 167.924,40.833 v2(168.275,40.481) ; R1602.2@167.322,41.936 R1601.2@168.434,41.936 v2(168.434,41.275) ; v1(167.978,58.571) 167.984,58.577 R6608.2@167.984,59.214 ; v2(169.227,55.721) 169.227,56.674 169.545,56.991 R6605.2@170.524,56.991 ; R6100.1@169.227,66.966 v1(169.227,67.627) ; v1(171.211,47.866) 171.135,47.79 170.929,47.79 170.815,47.676 C1107_1.2@170.815,46.904 173.314,46.904 174.08,46.137 C1108_1.2@174.08,46.038 174.08,45.313 174.183,45.21 C1109_1.2@174.183,44.609 174.183,44.559 174.609,44.133 175.553,44.133 176.371,43.314 U1101_1.5@176.371,42.889 ; v1(171.926,47.466) R1103_1.2@172.587,47.466 ; Q1101_1.S@172.241,38.329 172.241,38.93 172.244,38.933 v1(172.244,39.688) ; v2(173.831,77.153) C1214.2@173.831,76.273 174.854,76.273 175.369,75.758 C1215.2@175.419,75.758 176.405,75.758 176.62,75.972 C1216.2@177.482,75.972 178.059,75.972 178.274,75.758 C1217.2@178.911,75.758 179.323,75.758 179.424,75.656 U1200.18@180.934,75.656 ; v1(174.488,66.719) 174.492,66.723 R1223.2@175.312,66.723 ; v1(176.324,63.461) 176.331,63.467 176.788,63.467 R1224.2@177.165,63.844 ; R1104_1.2@179.044,47.466 v1(179.705,47.466) ; R1105_1.2@181.769,45.535 v1(181.769,46.196) ; v2(181.769,52.864) R6601.2@181.769,53.525 ; v2(183.356,66.992) 183.605,67.241 C1218.2@183.605,67.945 183.605,68.86 183.708,68.962 C1219.2@183.708,69.374 183.708,69.424 184.059,69.775 U1200.30@184.059,72.031 ; R1100.2@187.801,58.711 v1(187.801,59.69) ; v2(189.389,70.644) R1203.2@190.024,70.644 ; v2(189.389,76.437) 189.754,76.437 189.832,76.359 R1202.2@190.209,76.359 ; v2@189.389,77.47 v2(189.389,77.548) 189.754,77.548 189.832,77.47 R1201.2@190.209,77.47 ; R1200.2@190.209,78.581 190.209,79.242 190.5,79.534 v2(190.976,79.534) ; R1222.2@191.109,75.248 v2(192.246,75.248) ; v2(193.834,76.359) 193.992,76.2 R1205.2@194.654,76.2 ; v2(193.992,72.707) 194.336,72.707 R1207.2@194.654,72.39 ; U1100.1@195.421,55.709 195.421,57.09 195.296,57.215 C1102.2@195.296,57.626 195.296,58.283 196.161,59.148 C1100.2@196.161,59.372 v1(197.326,59.372) ; R1227.2@195.554,71.438 v1(196.374,71.438)